# Altium PCB Copy of GameBoard_V1I1_083018.PcbDoc (part 10 of 21) (continued)
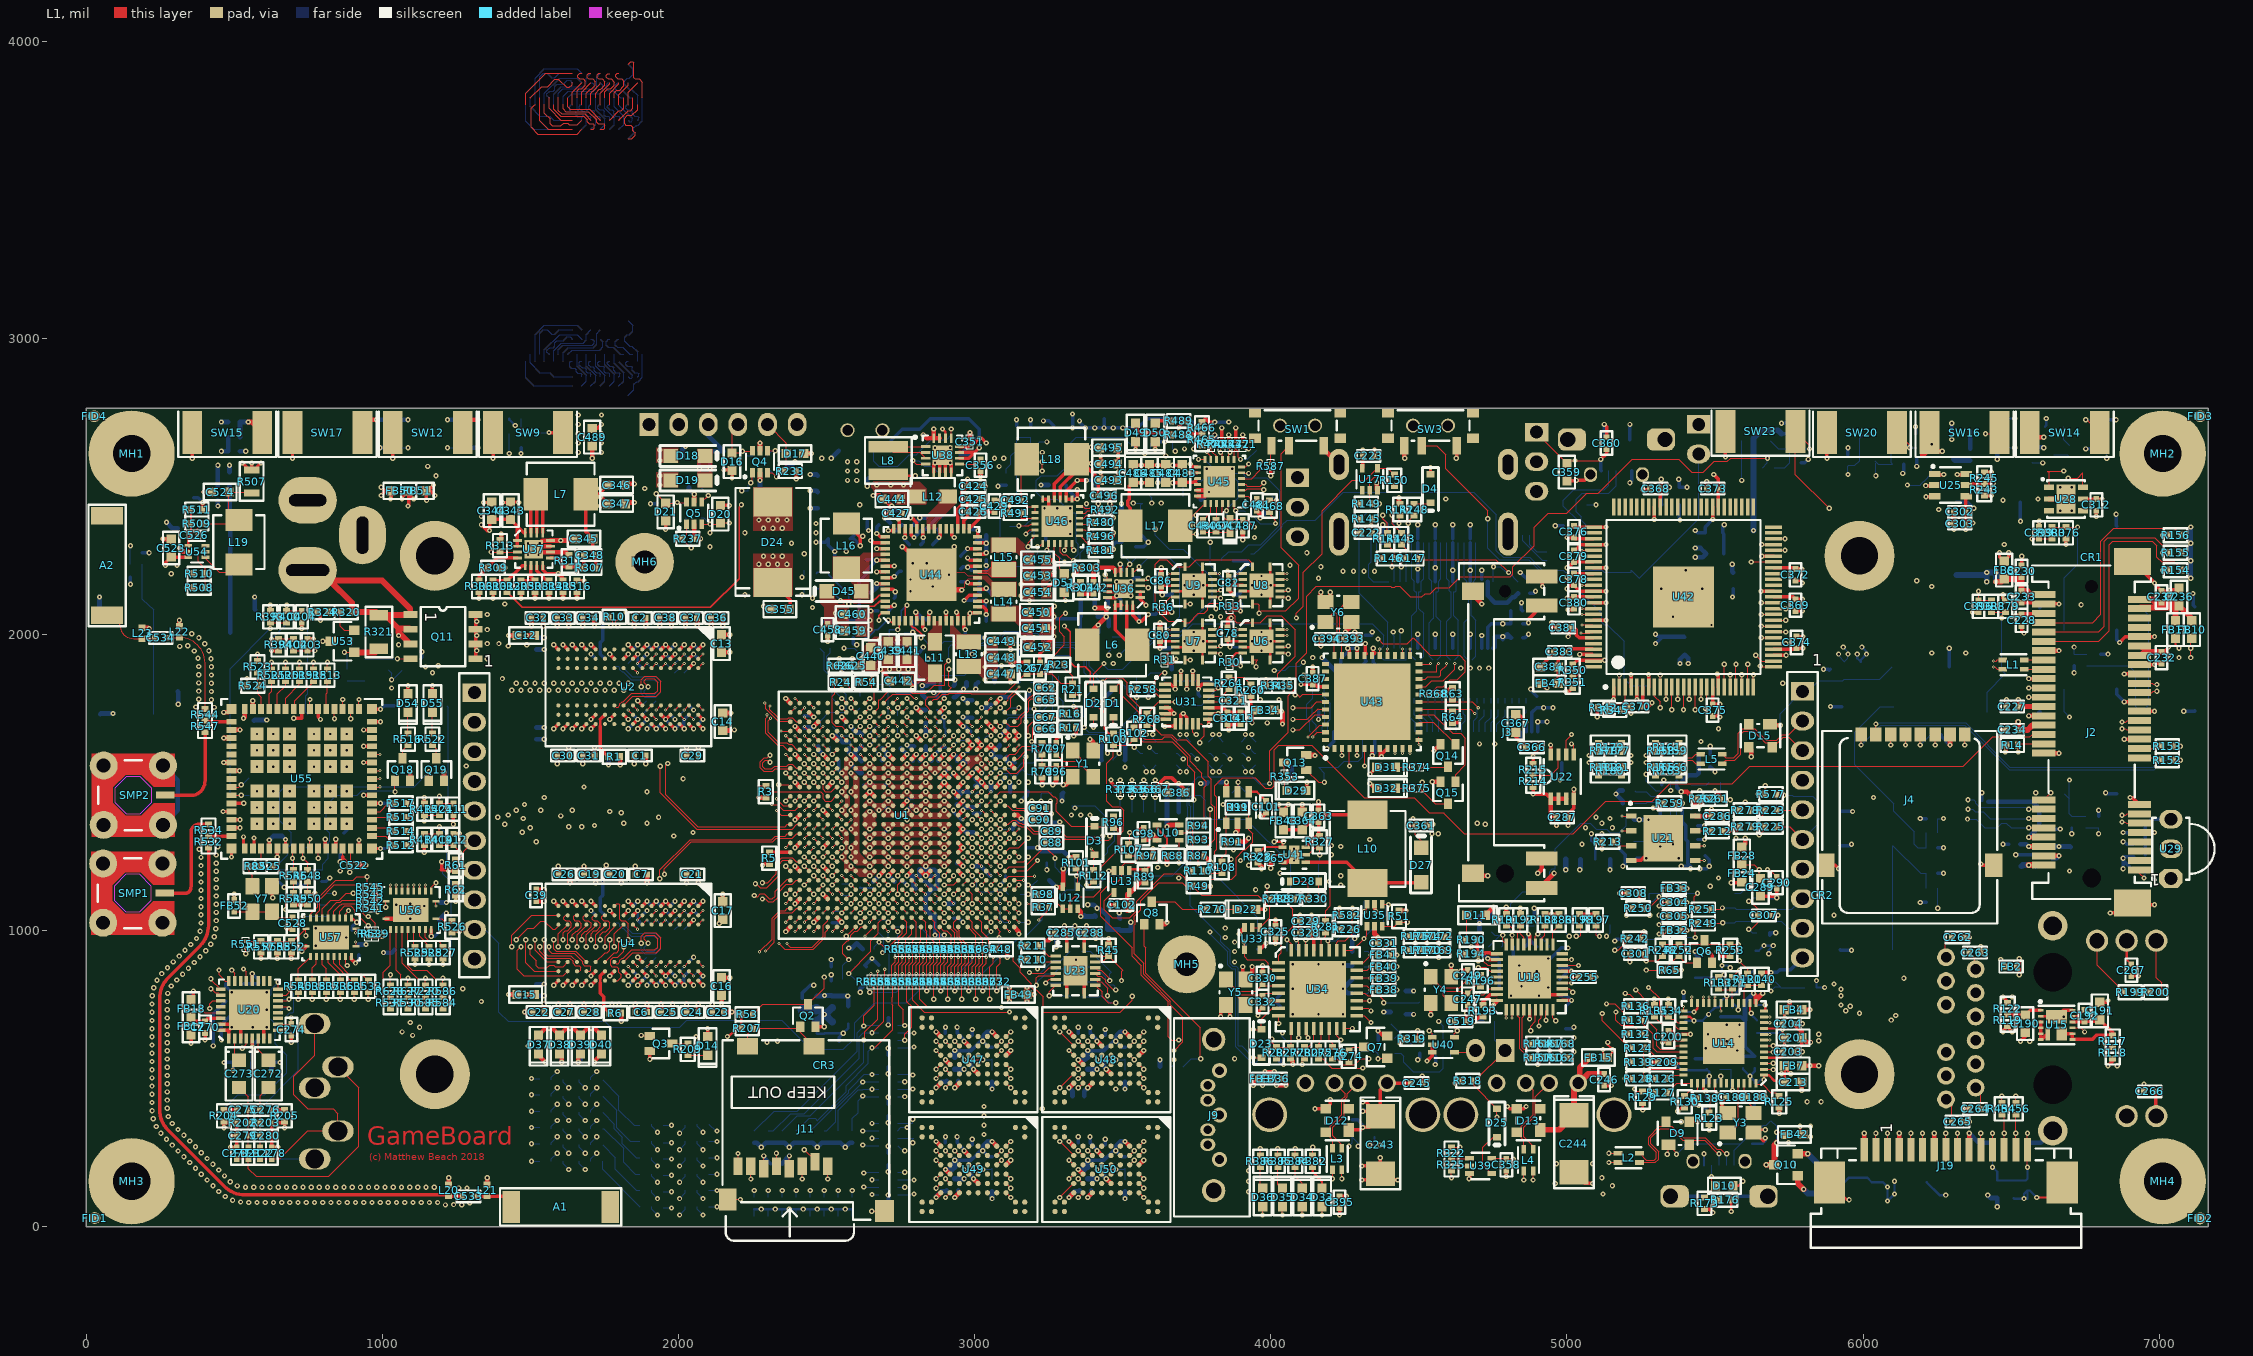
[diagram p0: L1 view]
## Nets (pads, with @x,y where several pads share a name; then routed paths per layer and width w, separated by ;. In a path a pad name is that pad's centre, name@x,y a point inside that pad or via, vN(x,y) a via of type N, cw(c..) or ccw(c..) an arc to the next point about the centre after c; other vN are vias at no path point) (continued)
  L10 w3.94: v1(3877.95,929.13) 3894.69,945.87 3894.69,966.75 3909.45,981.51 3909.45,1074.8 3925.2,1090.55 v1(3925.2,1220.47)
  L2 w3.94: v4(2728.35,1078.74) v3(2740.16,1090.55) ; v4(5443.9,1236.22) v3(5463.58,1236.22)
  L12 w3.94: v1(3208.66,814.96) 3208.66,822.83 3240.16,854.33 3267.72,854.33 TP14.1@3283.46,870.08 3314.96,870.08 R217.2@3322.83,877.95
CTP_INT#: R371.1 U43.11 | length 1104
  L1 w3.94: v3(4470.47,1598.43) U43.11@4470.47,1622.05
  L3 w3.94: v1(3531.5,1507.87) 3562.99,1476.38 3621.37,1476.38 3625.31,1472.44 3630.08,1472.44 3636.97,1465.55 3662.24,1465.55 3669.13,1472.44 3669.45,1472.44 3676.34,1465.55 3701.61,1465.55 3708.5,1472.44 3744.25,1472.44 3751.14,1465.55 3776.42,1465.55 3780.35,1469.49 3863.03,1469.49 3933.38,1469.49 3936.33,1472.44 3945.56,1472.44 3949.49,1476.38 4026.88,1476.38 4038.69,1464.57 4381.89,1464.57 4470.47,1553.15 v4(4470.47,1578.74)
  L2 w3.94: v4(4470.47,1578.74) v3(4470.47,1598.43)
  L12 w3.94: R371.1@3531.5,1486.81 v1(3531.5,1507.87)
CTP_RST#: R372.1 U43.12 | length 1206.5
  L1 w3.94: v3(4500,1627.95) U43.12@4500,1643.7 4500,1651.57
  L3 w3.94: v1(3492.13,1507.87) 3531.5,1468.5 3618.11,1468.5 3622.05,1464.57 3626.82,1464.57 3633.71,1457.68 3665.51,1457.68 3669.29,1461.46 3673.08,1457.68 3704.88,1457.68 3711.77,1464.57 3740.99,1464.57 3747.88,1457.68 3779.68,1457.68 3783.62,1461.61 3936.64,1461.61 3939.59,1464.57 4027.56,1464.57 4035.43,1456.69 4409.45,1456.69 4500,1547.24 v4(4500,1608.27)
  L2 w3.94: v4(4500,1608.27) v3(4500,1627.95)
  L12 w3.94: R372.1@3492.13,1486.81 v1(3492.13,1507.87)
CTP_SCL: R369.1 U43.9 | length 979.1
  L1 w3.94: v3(4419.29,1598.43) U43.9@4419.29,1614.17 U43.9@4419.29,1622.05
  L3 w3.94: v1(3610.24,1507.87) 3612.15,1507.87 3631.83,1488.19 3636.6,1488.19 3643.49,1481.3 3655.72,1481.3 3662.61,1488.19 3675.97,1488.19 3682.86,1481.3 3695.09,1481.3 3701.98,1488.19 3750.77,1488.19 3757.66,1481.3 3769.89,1481.3 3773.83,1485.24 3926.86,1485.24 3960.32,1518.7 4012.12,1518.7 4050.51,1480.31 4339.78,1480.31 4349.41,1489.95 4349.41,1502.95 4419.29,1572.83 v4(4419.29,1578.74)
  L2 w3.94: v4(4419.29,1578.74) v3(4419.29,1598.43)
  L12 w3.94: R369.1@3610.24,1486.81 v1(3610.24,1507.87)
CTP_SDA: R370.1 U43.10 | length 1044.1
  L1 w3.94: v3(4444.88,1598.43) U43.10@4444.88,1622.05
  L3 w3.94: v1(3570.87,1507.87) 3594.49,1484.25 3624.63,1484.25 3628.57,1480.31 3633.34,1480.31 3640.23,1473.43 3658.98,1473.43 3665.87,1480.31 3672.71,1480.31 3679.6,1473.43 3698.35,1473.43 3705.24,1480.31 3747.51,1480.31 3754.4,1473.43 3773.16,1473.43 3777.09,1477.36 3930.12,1477.36 3933.07,1480.31 3934.8,1480.31 3965.31,1510.83 4008.86,1510.83 4047.24,1472.44 4346.46,1472.44 4444.88,1570.87 v4(4444.88,1578.74)
  L2 w3.94: v4(4444.88,1578.74) v3(4444.88,1598.43)
  L12 w3.94: R370.1@3570.87,1486.81 v1(3570.87,1507.87)
DRAM0_ZQ: R1.2 U2.L8 | length 159.7
  L1 w7.87: 1736.22,1688.94 1736.22,1712.6
  L1 w11.81: 1736.22,1688.94 1736.22,1614.17 R1.2@1763.78,1586.61 ; 1736.22,1712.6 U2.L8@1751.97,1728.35
DRAM1_ZQ: R2.2 U3.L8 | length 159.7
  L12 w7.87: 1736.22,1940.9 1736.22,1956.73
  L12 w11.81: 1736.22,1940.9 1736.22,1933.07 U3.L8@1751.97,1917.32 ; 1736.22,1956.73 1736.22,1972.44 1744.09,1980.31 1744.09,2039.37 R2.2@1763.78,2059.06
DRAM2_ZQ: R6.2 U4.L8 | length 161.3
  L1 w7.87: 1736.22,822.79 1736.22,838.62
  L1 w11.81: 1736.22,822.79 1736.22,787.4 1748.03,775.59 1748.03,740.16 R6.2@1767.72,720.47 ; 1736.22,838.62 1736.22,846.46 U4.L8@1751.97,862.2
DRAM3_ZQ: R7.2 U5.L8 | length 161.3
  L12 w7.87: 1736.22,1074.76 1736.22,1090.59
  L12 w11.81: 1736.22,1074.76 1736.22,1066.93 U5.L8@1751.97,1051.18 ; 1736.22,1090.59 1736.22,1110.24 1744.09,1118.11 1744.09,1169.29 R7.2@1767.72,1192.91
DRAM_A0: U1.AC14 U2.N3 U3.N3 U4.N3 U5.N3 | length 2076
  L1 w3.66: v2@1657.55,944.88 1657.55,984.93 1689.04,1016.42 U4.N3@1689.04,1019.68 ; v3(2425.2,1342.52) U1.AC14@2440.94,1358.27
  L3 w3.94: v2(1673.23,1350.39) 1637.8,1314.96 1578.74,1314.96 1570.87,1307.09 1570.87,1295.28 1578.74,1287.4 1646.34,1287.4 1688.98,1330.03 1688.98,1365.77 1767.1,1443.9 1829.28,1443.9 1840.11,1433.07 1863.23,1433.07 1874.54,1421.76 1912.86,1421.76 1917.28,1426.18 2141.31,1426.18 2157.44,1410.05 2165.79,1410.05 2176.69,1420.95 2185.04,1420.95 2193.39,1412.6 2193.39,1404.25 2182.49,1393.35 2182.49,1384.99 2190.85,1376.64 2199.2,1376.64 2210.1,1387.54 2218.45,1387.54 2226.8,1379.19 2226.8,1370.84 2215.9,1359.94 2215.9,1351.59 2236.78,1330.71 2244.99,1330.71 2250.89,1336.61 2250.89,1352.36 2256.8,1358.27 2268.61,1358.27 2274.51,1352.36 2274.51,1336.61 2280.42,1330.71 2292.23,1330.71 2298.13,1336.61 2298.13,1352.36 2304.04,1358.27 2315.85,1358.27 2321.76,1352.36 2321.76,1336.61 2327.66,1330.71 2342.52,1330.71 2350.39,1338.58 2350.39,1350.39 2358.27,1358.27 2366.14,1358.27 2380.91,1343.5 2414.35,1343.5 2422.36,1351.52 2434.19,1351.52 v4(2437.01,1354.33)
  L10 w3.66: v2(1657.48,944.88) 1657.48,988.26 1563.06,1082.68 1539.37,1082.68 1529.57,1092.48 1529.57,1114.17 1537.44,1122.05 1562.59,1122.05 1578.74,1138.2 1578.74,1161.42 1732.28,1314.96 1732.28,1330.71 1724.41,1338.58 1685.04,1338.58 v2(1673.23,1350.39)
  L2 w3.94: v3(2425.2,1342.52) v4(2437.01,1354.33)
  other v2: 1657.48,1811.02
DRAM_A1: U1.AB14 U2.P7 U3.P7 U4.P7 U5.P7 | length 1865
  L1 w3.66: v2(1547.24,968.5) 1547.31,925.2 1558.14,914.37 1636.88,914.37 U4.P7@1657.55,893.7 ; v3(2456.69,1342.52) U1.AB14@2472.44,1358.27
  L3 w3.94: v2(1500,1346.46) 1527.56,1346.46 1548.23,1367.13 1590.03,1367.13 1592.99,1364.17 1611.74,1364.17 1614.69,1367.13 1657.63,1367.13 1699.95,1409.45 1708.15,1409.45 1759.33,1460.63 1857.94,1460.63 1881.06,1437.51 1906.34,1437.51 1921.86,1453.03 1975.7,1453.03 1986.8,1441.93 2044.69,1441.93 2059.46,1456.69 2176.09,1456.69 2245.97,1386.81 2263.72,1386.81 2275.93,1374.61 2373.73,1374.61 2378.94,1369.4 2378.94,1367.9 2387.59,1359.25 2399.82,1359.25 2407.83,1367.26 2422.94,1367.26 2429.1,1373.43 2448.23,1373.43 2448.82,1374.02 v4(2468.5,1354.33)
  L10 w3.66: v2(1500,1346.46) 1500,1330.71 1492.13,1322.83 1484.25,1322.83 1476.38,1314.96 1476.38,1303.15 1484.25,1295.28 1496.06,1295.28 1503.94,1287.4 1503.94,1275.59 1496.06,1267.72 1476.38,1267.72 1468.5,1259.84 1468.5,1248.03 1476.38,1240.16 1523.62,1240.16 1531.5,1232.28 1531.5,1224.41 1523.62,1216.54 1496.06,1216.54 1476.38,1196.85 1476.38,1039.37 v2(1547.24,968.5)
  L2 w3.94: v3(2456.69,1342.52) v4(2468.5,1354.33)
  other v2: 1547.24,1834.65
DRAM_A2: U1.AA14 U2.P3 U3.P3 U4.P3 U5.P3 | length 1880.5
  L1 w3.66: v2@1626.05,944.88 1626.05,988.19 U4.P3@1657.55,1019.68 ; v3(2488.19,1342.52) U1.AA14@2503.94,1358.27
  L3 w3.94: v2(1629.92,1350.39) 1622.05,1358.27 1621.37,1358.27 1617.43,1354.33 1591.69,1354.33 1587.75,1358.27 1571.02,1358.27 1562.99,1350.24 1562.99,1338.58 1570.87,1330.71 1630.37,1330.71 1645.67,1346.01 1645.67,1355.16 1649.76,1359.25 1660.89,1359.25 1703.22,1401.57 1711.41,1401.57 1761.6,1451.77 1840.24,1451.77 1851.07,1440.94 1866.49,1440.94 1877.8,1429.64 1909.6,1429.64 1924.85,1444.88 1972.71,1444.88 1983.54,1434.06 2047.96,1434.06 2062.72,1448.82 2172.83,1448.82 2254.91,1366.73 2323.69,1366.73 2324.28,1366.14 2369.56,1366.14 2384.32,1351.38 2407.69,1351.38 2415.7,1359.39 2426.2,1359.39 2432.36,1365.55 2441.66,1365.55 2457.28,1349.92 2457.28,1349.68 2464.45,1342.52 2476.38,1342.52 2488.19,1354.33 v4(2500,1354.33)
  L10 w3.66: 1578.74,1448.75 1578.74,1456.69 ; v2(1625.98,944.88) 1626.81,945.71 1626.81,973.75 1514.37,1086.19 1514.37,1140.35 1578.74,1204.72 1578.74,1221.47 1593.49,1236.22 1614.17,1236.22 1641.73,1263.78 1641.73,1272.15 1630.75,1283.14 1630.75,1296.1 1637.8,1303.15 1657.48,1303.15 1666.18,1311.85 1666.18,1318.07 1657.48,1326.77 1637.8,1326.77 1630.75,1333.82 1630.75,1349.57 v2(1629.92,1350.39)
  L2 w3.94: v3(2488.19,1342.52) v4(2500,1354.33)
  other v2: 1625.98,1811.02
DRAM_A3: U1.Y14 U2.N2 U3.N2 U4.N2 U5.N2 | length 2060.9
  L1 w3.66: v2(1673.23,968.5) 1673.29,984.93 1685.91,997.54 1690.52,997.54 1704.79,1011.81 1704.79,1023.62 1695.93,1032.48 1683.14,1032.48 1678.21,1037.4 1678.21,1046.26 1683.14,1051.18 U4.N2@1689.04,1051.18 ; v3(2519.69,1342.52) U1.Y14@2535.43,1358.27
  L3 w3.94: v2(1716.53,1354.33) 1716.53,1291.34 1704.72,1279.53 1696.85,1279.53 1688.98,1287.4 1677.17,1287.4 1669.29,1279.53 1669.29,1263.78 1681.1,1251.97 1773,1251.97 1807.09,1286.05 1807.09,1331.38 1791.34,1347.13 1791.34,1381.37 1783.46,1389.25 1783.46,1406.03 1797.71,1420.28 1816.46,1420.28 1827.29,1409.45 1853.45,1409.45 1864.76,1398.14 1924.5,1398.14 1927.94,1401.57 2132.51,1401.57 2227,1307.09 2366.97,1307.09 2377.95,1318.07 2420.53,1318.07 2428.16,1310.43 2452.72,1310.43 2460.6,1318.31 2495.47,1318.31 v4(2507.87,1330.71)
  L10 w3.66: v2(1673.23,968.5) 1673.23,983.25 1562.99,1093.49 1562.99,1106.3 1570.87,1114.17 1578.74,1114.17 1586.61,1122.05 1586.61,1125.98 1586.61,1153.54 1744.09,1311.02 1744.09,1410.51 1733.35,1421.26 1720.47,1421.26 1712.6,1413.39 1712.6,1401.57 1728.35,1385.83 1728.35,1366.14 v2(1716.53,1354.33)
  L2 w3.94: v4(2507.87,1330.71) v3(2519.69,1342.52)
  other v2: 1673.23,1834.65
DRAM_A4: U1.W14 U2.P8 U3.P8 U4.P8 U5.P8 | length 2081.5
  L1 w3.66: v2@1531.56,944.88 1531.56,929.81 1554.88,906.5 1633.62,906.5 1644.75,895.36 1644.75,888.4 1652.25,880.91 1664.43,880.91 1669.36,875.98 1669.36,866.14 1665.42,862.2 U4.P8@1657.55,862.2 ; U1.W14@2566.93,1358.27 v3(2582.68,1374.02)
  L3 w3.94: v2(1472.44,1331.71) 1482.3,1321.85 1529.06,1321.85 1587.13,1263.78 1633.86,1263.78 1696.85,1326.77 1696.85,1362.41 1726.8,1392.37 1726.8,1392.47 1770.36,1436.02 1826.02,1436.02 1836.85,1425.2 1859.97,1425.2 1871.28,1413.89 1916.12,1413.89 1920.54,1418.31 2138.05,1418.31 2233.52,1322.83 2360.45,1322.83 2371.67,1334.06 2487.6,1334.06 2495.47,1341.93 2529.71,1341.93 2549.99,1362.21 v4(2570.87,1362.21)
  L10 w3.66: v2(1472.44,1331.71) 1460.63,1319.9 1460.63,1232.28 1440.95,1212.6 1440.95,1204.72 1448.82,1196.85 1460.63,1196.85 1468.5,1188.98 1468.5,1181.1 1460.63,1173.23 1448.82,1173.23 1440.95,1165.35 1440.95,1157.48 1448.82,1149.61 1460.63,1149.61 1468.5,1141.73 1468.5,1133.86 1460.63,1125.98 1448.82,1125.98 1440.95,1118.11 1440.95,1110.24 1448.82,1102.36 1460.63,1102.36 1468.5,1094.49 1468.5,1086.61 1460.63,1078.74 1448.82,1078.74 1440.95,1070.87 1440.95,1062.99 1448.82,1055.12 1460.63,1055.12 1468.5,1047.24 1468.5,1036.5 1531.5,973.51 v2(1531.5,944.88)
  L2 w3.94: v4(2570.87,1362.21) v3(2582.68,1374.02)
  other v2: 1531.5,1811.02
DRAM_A5: U1.AE13 U2.P2 U3.P2 U4.P2 U5.P2 | length 1916.3
  L1 w3.66: v2(1641.73,968.5) 1641.8,984.93 1654.41,997.54 1659.02,997.54 1672.31,1010.83 1672.31,1023.02 1662.85,1032.48 1650.66,1032.48 1645.73,1037.4 1645.73,1047.24 1649.67,1051.18 U4.P2@1657.55,1051.18 ; v3(2330.71,1405.51) 2346.46,1389.76 U1.AE13@2377.95,1389.76
  L3 w3.94: v2(1641.73,1405.51) 1651.48,1405.51 1661.42,1415.45 1661.42,1425.2 1655.51,1431.1 1631.89,1431.1 1618.11,1417.32 1610.24,1417.32 1602.36,1425.2 1602.36,1437.68 1610.55,1445.87 1700.02,1445.87 1746.56,1492.4 1992.01,1492.4 2003.11,1481.3 2028.39,1481.3 2043.15,1496.06 2192.39,1496.06 2262.28,1426.18 2280.03,1426.18 2288.89,1417.32 2322.16,1417.32 2347.44,1442.6 2347.44,1443.12 2356.09,1451.77 2399.82,1451.77 2408.46,1443.12 2408.46,1430.89 2399.82,1422.24 2347.44,1422.24 v4(2342.52,1417.32)
  L10 w3.66: v2(1641.73,968.5) 1641.73,993.26 1560.19,1074.8 1536.5,1074.8 1521.97,1089.33 1521.97,1133.86 1567.24,1179.13 1580.71,1179.13 1708.66,1307.09 1708.66,1318.9 1700.79,1326.77 1673.23,1326.77 1653.54,1346.46 1653.54,1362.2 1641.73,1374.02 v2(1641.73,1405.51)
  L2 w3.94: v3(2330.71,1405.51) v4(2342.52,1417.32)
  other v2: 1641.73,1834.65
DRAM_A6: U1.AC13 U2.R8 U3.R8 U4.R8 U5.R8 | length 1959.6
  L1 w3.66: v2@1468.57,944.88 1467.59,944.88 1455.77,933.07 1455.77,869.09 1478.41,846.46 1610.3,846.46 U4.R8@1626.05,862.2 ; v3(2425.2,1374.02) U1.AC13@2440.94,1389.76
  L3 w3.94: v2(1425.2,1389.76) 1428.15,1386.81 1428.15,1355.31 1440.94,1342.52 1462.37,1342.52 1481.07,1361.22 1506.12,1361.22 1512.02,1355.31 1525.28,1355.31 1544.97,1375 1593.29,1375 1596.25,1372.05 1608.48,1372.05 1611.43,1375 1654.37,1375 1701.61,1422.24 1709.81,1422.24 1756.06,1468.5 1861.2,1468.5 1884.32,1445.38 1903.08,1445.38 1918.6,1460.91 1978.96,1460.91 1990.06,1449.8 2041.43,1449.8 2056.2,1464.57 2179.35,1464.57 2249.23,1394.69 2266.98,1394.69 2279.19,1382.48 2374.61,1382.48 2380.91,1388.78 2434.06,1388.78 v4(2437.01,1385.83)
  L10 w3.66: v2(1425.2,1389.76) 1425.2,1367.14 1429.69,1362.65 1429.69,1259.33 1410.28,1239.92 1410.28,1031.73 1468.5,973.51 v2(1468.5,944.88)
  L2 w3.94: v3(2425.2,1374.02) v4(2437.01,1385.83)
  other v2: 1468.5,1811.02
DRAM_A7: U1.Y13 U2.R2 U3.R2 U4.R2 U5.R2 | length 2068.6
  L1 w3.66: v2(1610.24,968.5) 1610.3,992.8 1617.16,999.66 1626.39,999.66 1638.84,1012.12 1638.84,1024.99 1631.35,1032.48 1619.16,1032.48 1613.25,1038.39 1613.25,1045.27 1619.16,1051.18 U4.R2@1626.05,1051.18 ; U1.Y13@2535.43,1389.76 v3(2551.18,1374.02)
  L3 w3.94: v2(1602.36,1386.81) 1606.3,1382.87 1651.11,1382.87 1698.35,1430.12 1706.54,1430.12 1752.8,1476.38 1864.46,1476.38 1887.59,1453.26 1899.82,1453.26 1915.34,1468.78 1982.22,1468.78 1993.33,1457.68 2038.17,1457.68 2052.93,1472.44 2182.61,1472.44 2252.49,1402.56 2270.24,1402.56 2282.45,1390.35 2370.67,1390.35 2371.35,1390.35 2378.63,1397.64 2441.07,1397.64 2457.4,1381.3 2468.54,1381.3 2483.7,1366.14 2507.87,1366.14 2513.78,1372.05 2549.21,1372.05 2565.95,1388.78 2565.95,1409.66 2577.55,1421.26 2622.05,1421.26 2629.92,1429.13 2629.92,1445.02 2622.19,1452.76 2577.55,1452.76 2536.42,1411.63 2536.42,1388.78 v4(2539.37,1385.83)
  L10 w3.66: v2(1602.36,1386.81) 1618.11,1371.06 1618.11,1362.2 1606.3,1350.39 1598.43,1350.39 1590.55,1342.52 1590.55,1334.65 1598.43,1326.77 1614.17,1326.77 1622.05,1318.9 1622.05,1311.02 1614.17,1303.15 1598.43,1303.15 1590.55,1295.28 1590.55,1258.04 1570.87,1238.35 1570.87,1208.66 1506.77,1144.57 1506.77,1071.97 v2(1610.24,968.5)
  L2 w3.94: v4(2539.37,1385.83) v3(2551.18,1374.02)
  other v2: 1610.24,1834.65
DRAM_A8: U1.AB13 U2.T8 U3.T8 U4.T8 U5.T8 | length 2078.3
  L1 w3.66: v2(1484.25,968.5) 1484.32,891.35 1513.47,862.2 U4.T8@1594.55,862.2 ; U1.AB13@2472.44,1389.76 v3(2488.19,1374.02)
  L3 w3.94: v2(1452.76,1405.51) 1514.55,1405.51 1529.32,1390.75 1541.55,1390.75 1604.54,1453.74 1696.76,1453.74 1743.29,1500.28 1995.27,1500.28 2006.37,1489.17 2025.12,1489.17 2039.89,1503.94 2195.66,1503.94 2265.54,1434.06 2283.29,1434.06 2291.56,1425.79 2318.97,1425.79 2353.81,1460.63 2360.24,1460.63 2366.14,1460.63 2389.76,1484.25 2401.57,1484.25 2417.32,1468.5 2440.94,1468.5 2444.88,1472.44 2492.13,1472.44 2500,1464.57 2500,1444.88 2492.13,1437.01 2480.31,1437.01 2465.55,1451.77 2448.35,1451.77 2440.94,1444.36 2440.94,1431.88 2457.28,1415.54 2457.28,1412.68 2463.86,1406.1 2466.72,1406.1 2482.07,1390.75 2495.08,1390.75 v4(2500,1385.83)
  L10 w3.66: v2(1452.76,1405.51) 1452.76,1384.76 1437.28,1369.29 1437.28,1256.18 1417.87,1236.77 1417.87,1034.88 v2(1484.25,968.5)
  L2 w3.94: v3(2488.19,1374.02) v4(2500,1385.83)
  other v2: 1484.25,1834.65
DRAM_A9: U1.AE12 U2.R3 U3.R3 U4.R3 U5.R3 | length 1966
  L1 w3.66: v2@1594.55,944.88 1594.55,988.19 U4.R3@1626.05,1019.68 ; v3(2330.71,1444.88) 2354.33,1421.26 U1.AE12@2377.95,1421.26
  L3 w3.94: v2(1547.24,1448.82) 1544.14,1445.72 1534.6,1445.72 1528.59,1451.72 1528.59,1461.66 1535.43,1468.5 1570.87,1468.5 1578.74,1476.38 1578.74,1489.25 1571.93,1496.06 1539.87,1496.06 1531.5,1504.44 1531.5,1516.75 1538.37,1523.62 1582.68,1523.62 1590.55,1515.75 1590.55,1488.19 1609.25,1469.49 1690.24,1469.49 1736.77,1516.02 1980.85,1516.02 1992.38,1527.56 2337.39,1527.56 2356.09,1546.26 2368.32,1546.26 2377.95,1536.63 2377.95,1486.22 2360.24,1468.5 2346.46,1468.5 2334.65,1456.69 v4(2318.9,1456.69)
  L10 w3.66: v2(1547.24,1448.82) 1551.18,1448.82 1578.74,1421.26 1578.74,1256.97 1561.93,1240.16 1561.93,1211.53 1499.17,1148.78 1499.17,1068.82 1594.49,973.51 v2(1594.49,944.88)
  L2 w3.94: v4(2318.9,1456.69) v3(2330.71,1444.88)
  other v2: 1594.49,1811.02
DRAM_A10: U1.AA15 U2.L7 U3.L7 U4.L7 U5.L7 | length 2077.3
  L1 w3.66: U4.L7@1752.03,893.7 1783.53,925.2 1791.4,925.2 1799.28,933.07 v2@1799.28,968.5 ; U1.AA15@2503.94,1326.77 v3(2519.69,1311.02)
  L3 w3.94: v2(1984.25,1318.9) 1984.25,1251.29 1965.24,1232.28 1878.94,1232.28 1871.41,1224.76 1871.41,1203.39 1877.95,1196.85 1909.45,1196.85 1925.2,1212.6 1972.44,1212.6 1991.35,1193.69 2311.47,1193.69 2317.37,1199.6 2317.37,1224.41 2323.28,1230.31 2335.09,1230.31 2341,1224.41 2341,1199.6 2346.9,1193.69 2362.98,1193.69 2377.95,1208.66 2377.95,1221.67 2388.57,1232.28 2398.83,1232.28 2409.45,1221.67 2409.45,1208.66 2417.32,1200.79 2433.07,1200.79 2441.93,1209.65 2441.93,1254.15 2452.55,1264.76 2497.05,1264.76 v4(2531.5,1299.21)
  L10 w3.15: v2(1799.21,968.5) 1799.21,978.21 1741.47,1035.95 1741.47,1108.9 1782.17,1149.61 1782.17,1174.72 1859.42,1251.97 1870.08,1251.97 1880.06,1241.99 1887.93,1241.99 1893.7,1247.75 1893.7,1255.91 1881.89,1267.72 1881.89,1274.44 1886.98,1279.53 1895.09,1279.53 1913.39,1261.23 1946.27,1261.23 1952.76,1267.72 1952.76,1275.59 1944.88,1283.46 1913.39,1283.46 1905.51,1291.34 1905.51,1299.21 1913.39,1307.09 1948.82,1307.09 1972.44,1283.46 1980.99,1283.46 2007.87,1310.35 2007.87,1385.83 2001.97,1391.73 1990.16,1391.73 1984.25,1385.83 v2(1984.25,1318.9)
  L2 w3.94: v3(2519.69,1311.02) v4(2531.5,1299.21)
  other v2: 1799.21,1834.65
DRAM_A11: U1.AC12 U2.R7 U3.R7 U4.R7 U5.R7 | length 1884.5
  L1 w3.66: v2@1500.07,944.88 1500.07,917.32 1519.75,897.64 1519.75,880.9 1526.64,874.02 1556.17,874.02 1565.03,882.87 1579.79,882.87 1584.71,877.95 1610.3,877.95 U4.R7@1626.05,893.7 ; v3(2425.2,1405.51) U1.AC12@2440.94,1421.26
  L3 w3.94: v2(1476.38,1377.95) 1456.69,1358.27 1444.88,1358.27 1437.01,1366.14 1437.01,1377.95 1449.8,1390.75 1458.87,1390.75 1461.82,1393.7 1515.23,1393.7 1527.04,1381.89 1540.72,1381.89 1541.71,1382.87 1547.82,1382.87 1574.39,1409.45 1605.11,1409.45 1623.81,1390.75 1647.85,1390.75 1695.09,1437.99 1703.28,1437.99 1749.82,1484.53 1988.75,1484.53 1999.85,1473.43 2031.65,1473.43 2046.41,1488.19 2189.13,1488.19 2259.02,1418.31 2276.77,1418.31 2288.97,1406.1 2363.31,1406.1 2371.58,1414.37 2410.43,1414.37 v4(2413.39,1417.32)
  L10 w3.66: v2(1476.38,1377.95) 1460.63,1377.95 1444.88,1362.2 1444.88,1248.03 1425.47,1228.62 1425.47,1048.03 1500,973.51 v2(1500,944.88)
  L2 w3.94: v4(2413.39,1417.32) v3(2425.2,1405.51)
  other v2: 1500,1811.02
DRAM_A12: U1.AD12 U2.N7 U3.N7 U4.N7 U5.N7 | length 2025.6
  L1 w3.66: v2(1578.74,968.5) 1578.81,937.99 1586.68,930.12 1652.62,930.12 U4.N7@1689.04,893.7 ; v3(2314.96,1425.2) 2334.65,1425.2 2354.33,1405.51 2393.7,1405.51 U1.AD12@2409.45,1421.26
  L3 w3.94: v2(1535.43,1405.51) 1496.06,1444.88 1448.82,1444.88 1437.01,1456.69 1437.01,1473.99 1486.64,1523.62 1492.13,1523.62 1519.68,1496.06 1519.68,1444.88 1539.37,1425.2 1564.86,1425.2 1601.28,1461.61 1693.5,1461.61 1740.03,1508.15 1998.53,1508.15 2009.63,1497.05 2021.86,1497.05 2036.63,1511.81 2204.72,1511.81 2251.97,1464.57 2280.63,1464.57 2303.15,1442.04 v4(2303.15,1437.01)
  L10 w3.66: v2(1535.43,1405.51) 1535.43,1394.69 1544.29,1385.83 1562.99,1385.83 1569.76,1379.06 1569.76,1368.98 1562.99,1362.2 1551.18,1362.2 1543.31,1354.33 1543.31,1346.46 1551.18,1338.58 1562.99,1338.58 1570.75,1330.83 1570.75,1259.72 1551.18,1240.16 1551.18,1216.54 1491.58,1156.93 1491.58,1055.67 v2(1578.74,968.5)
  L2 w3.94: v4(2303.15,1437.01) v3(2314.96,1425.2)
  other v2: 1578.74,1834.65
DRAM_A13: U1.AC17 U2.T3 U3.T3 U4.T3 U5.T3 | length 2078.7
  L1 w3.66: v2@1452.82,968.5 1491.21,1006.89 1510.89,1006.89 1535.5,1031.5 1547.31,1031.5 1574.87,1003.94 1584.71,1003.94 1594.55,1013.78 U4.T3@1594.55,1019.68 ; U1.AC17@2440.94,1263.78 v3(2456.69,1279.53)
  L3 w3.94: v2(1413.39,1358.27) 1457.68,1313.98 1525.8,1313.98 1535.43,1304.34 1535.43,1279.53 1570.87,1244.09 1776.27,1244.09 1814.96,1282.79 1814.96,1334.65 1799.21,1350.39 1799.21,1384.63 1792.32,1391.52 1792.32,1403.75 1800.97,1412.4 1813.2,1412.4 1824.03,1401.57 1850.18,1401.57 1861.49,1390.27 1901.07,1390.27 1924.21,1367.13 1957.68,1367.13 1976.38,1385.83 2125.98,1385.83 2220.47,1291.34 2373.5,1291.34 2384.32,1302.16 2414.16,1302.16 2422.03,1294.29 2441.93,1294.29 v4(2444.88,1291.34)
  L10 w3.66: v2(1413.39,1358.27) 1401.58,1358.27 1393.7,1350.39 1393.7,1334.65 1401.58,1326.77 1413.39,1326.77 1421.26,1318.9 1421.26,1311.02 1413.39,1303.15 1397.64,1303.15 1389.76,1295.28 1389.76,1287.4 1397.64,1279.53 1413.39,1279.53 1421.26,1271.65 1421.26,1262.68 1402.68,1244.09 1402.68,1026.46 1417.32,1011.81 1417.32,980.31 1429.13,968.5 v2(1452.76,968.5)
  L2 w3.94: v4(2444.88,1291.34) v3(2456.69,1279.53)
  other v2: 1452.76,1834.65
DRAM_A14: U1.AA12 U2.T7 U3.T7 U4.T7 U5.T7 | length 2062.6
  L1 w3.66: v2(1515.75,968.5) 1515.81,933.07 1555.18,893.7 U4.T7@1594.55,893.7 ; U1.AA12@2503.94,1421.26 v3(2519.69,1405.51)
  L3 w3.94: v2(1480.32,1425.2) 1440.94,1425.2 1422.26,1443.88 1422.26,1470.37 1483.66,1531.77 1974.32,1531.77 1985.86,1543.31 2330.87,1543.31 2349.57,1562.01 2397.95,1562.01 2413.69,1577.76 2434.05,1577.76 2440.94,1570.87 2440.94,1557.86 2451.56,1547.24 2496.06,1547.24 2504.92,1538.39 2504.92,1492.13 2517.72,1479.33 2517.72,1429.13 2507.87,1419.29 v4(2507.87,1417.32)
  L10 w3.66: v2(1480.32,1425.2) 1491,1414.51 1491,1370.95 1453.03,1332.98 1453.03,1244.37 1433.07,1224.41 1433.07,1051.18 v2(1515.75,968.5)
  L2 w3.94: v4(2507.87,1417.32) v3(2519.69,1405.51)
  other v2: 1515.75,1834.65
DRAM_A15: U1.Y12 U2.M7 U3.M7 U4.M7 U5.M7 | length 2024
  L1 w3.66: U4.M7@1720.54,893.7 1752.03,925.2 1759.91,925.2 1767.78,933.07 v2@1767.78,968.5 ; U1.Y12@2535.43,1421.26 v3(2551.18,1437.01)
  L3 w3.94: v2(1893.7,1468.02) 1902.33,1476.65 1985.48,1476.65 1996.59,1465.55 2034.91,1465.55 2049.67,1480.31 2185.87,1480.31 2255.75,1410.43 2273.51,1410.43 2285.71,1398.23 2366.58,1398.23 2368.08,1398.23 2375.37,1405.51 2444.33,1405.51 2451.61,1398.23 2462.75,1398.23 2486.96,1374.02 2504.06,1374.02 2525.59,1395.55 2525.59,1475.85 2536.42,1486.67 2536.42,1506.12 2547.03,1516.73 2658.47,1516.73 2665.35,1523.62 2665.35,1535.43 2676.18,1546.26 2720.47,1546.26 2728.35,1538.39 2728.35,1523.62 2719.49,1514.76 2699.8,1514.76 2670.28,1485.24 2578.53,1485.24 2567.91,1474.62 2567.91,1460.63 2558.07,1450.79 2541.34,1450.79 v4(2539.37,1448.82)
  L10 w3.66: 1726.93,1057.7 1726.93,1029.3 1767.72,988.51 v2(1767.72,968.5) ; 1726.93,1076.15 1726.93,1089.2 ; 1726.95,1057.72 1726.95,1076.13 ; 1726.95,1089.22 1726.95,1129.39 1747.17,1149.61 1747.17,1172.23 1747.3,1172.37 1747.3,1173.17 1916.2,1342.07 1916.2,1445.52 v2(1893.7,1468.02)
  L2 w3.94: v4(2539.37,1448.82) v3(2551.18,1437.01)
  other v2: 1767.72,1834.65
DRAM_CAS_B: U1.AE16 U2.K3 U3.K3 U4.K3 U5.K3 | length 2080
  L1 w3.66: v2@1752.03,944.88 1752.03,979.33 1783.53,1010.83 U4.K3@1783.53,1019.68 ; v3(2362.21,1279.53) U1.AE16@2377.95,1295.28
  L3 w3.94: v2(1893.7,1362.2) 1905.51,1350.39 1944.88,1350.39 1952.76,1342.52 1952.76,1334.65 1944.88,1326.77 1909.45,1326.77 1901.57,1318.9 1901.57,1311.02 1909.45,1303.15 1933.07,1303.15 1940.94,1295.28 1940.94,1248.03 1948.82,1240.16 1960.63,1240.16 1968.5,1248.03 1968.5,1326.77 1980.31,1338.58 2007.87,1338.58 2023.62,1322.83 2023.62,1311.02 2015.75,1303.15 2003.94,1303.15 1996.06,1295.28 1996.06,1287.4 2003.94,1279.53 2015.75,1279.53 2023.62,1271.65 2023.62,1255.91 2015.75,1248.03 2000,1248.03 1992.13,1240.16 1992.13,1220.47 2000,1212.6 2011.81,1212.6 2019.68,1220.47 2027.56,1220.47 2035.43,1212.6 2047.24,1212.6 2055.12,1220.47 2055.12,1236.22 2039.37,1251.97 2039.37,1318.9 2031.5,1326.77 2031.5,1338.58 2039.37,1346.46 2059.06,1346.46 2066.93,1338.58 2066.93,1280.2 2079.42,1267.72 2232.28,1267.72 2240.16,1275.59 2267.72,1275.59 2275.59,1267.72 2275.59,1242.7 2282.07,1236.22 2291.27,1236.22 2299.21,1244.16 2299.21,1267.72 2307.09,1275.59 2326.77,1275.59 2334.65,1267.72 2334.65,1255.91 2342.52,1248.03 2374.02,1248.03 2381.89,1255.91 2381.89,1267.72 2374.02,1275.59 2358.27,1275.59 v4(2350.39,1267.72)
  L10 w3.66: 1719.33,1060.85 1719.33,1026.15 1751.97,993.52 v2(1751.97,944.88) ; 1719.33,1073.01 1719.33,1092.35 ; 1719.35,1060.87 1719.35,1072.99 ; 1719.35,1092.37 1719.35,1136.67 1739.57,1156.89 1739.57,1175.58
  L10 w3.94: 1739.57,1175.58 1739.57,1176.38 1779.63,1216.44 1779.63,1228.25 1771.65,1236.22 1771.65,1248.03 1779.53,1255.91 1791.34,1255.91 1799.21,1248.03 1811.22,1248.03 1819,1255.81 1819,1267.62 1811.02,1275.59 1811.02,1287.4 1818.9,1295.28 1830.71,1295.28 1838.58,1287.4 1850.59,1287.4 1858.37,1295.18 1858.37,1306.99 1850.39,1314.96 1850.39,1326.77 1858.27,1334.65 1870.08,1334.65 1877.95,1326.77 1889.96,1326.77 1889.96,1326.97 1901.58,1338.58 1901.58,1354.33 v2(1893.7,1362.2)
  L2 w3.94: v4(2350.39,1267.72) v3(2362.21,1279.53)
  other v2: 1751.97,1811.02
DRAM_CLK0_N: R9.1 U1.AE15 U4.K7 U5.K7 | length 1741.8
  L1 w3.54: U4.K7@1783.46,893.7 1789.37,887.8 1796.46,887.8 1802.36,893.7 1802.36,899.23 1809.44,906.3 1813.64,906.3 1841.81,934.47 1920.55,934.47 1929.9,943.82 1929.9,971.67 1918.5,983.07 1890.69,983.07 1883.86,976.24 1883.86,970.79 1897.64,957.01 v2(1897.64,956.69)
  L1 w3.94: v2(1937.01,1174.21) 1937.35,1174.55 1937.35,1204.39 2040.05,1307.09 2315.64,1307.09 2327.45,1318.9 2360.24,1318.9 2368.11,1326.77 U1.AE15@2377.95,1326.77
  L10 w3.94: v2(1799.21,751.97) 1797.89,753.29 1797.89,778.88 1808.07,789.06 1808.07,888.78 1848.43,929.13 1870.08,929.13 v2(1897.64,956.69) 1894.89,956.69 1880.13,971.46 1868.11,971.46 1809.06,1030.51 1809.06,1104.33 1862.88,1158.16 1862.88,1158.83 1886.14,1182.09 1906.5,1182.09 1914.37,1174.21 v2(1937.01,1174.21)
  L12 w3.54: U5.K7@1783.46,1019.69 1789.37,1025.59 1796.46,1025.59 1802.36,1019.68 1802.36,1014.16 1809.44,1007.08 1813.64,1007.08 1839.84,980.89 1918.58,980.89 1929.9,969.56 1929.9,941.71 1918.5,930.31 1890.69,930.31 1884.02,936.99 ; v2(1799.21,751.97) 1799.21,751.65 1792.48,744.92 1792.48,735.08 R9.1@1807.09,720.47 ; 1883.86,937.15 1883.86,942.59 1897.64,956.37 v2(1897.64,956.69)
DRAM_CLK0_P: R9.2 U1.AD15 U4.J7 U5.J7 | length 1746.5
  L1 w3.54: U4.J7@1814.96,893.7 1845.89,924.63 1924.62,924.63 1939.74,939.74 1939.74,975.75 1922.58,992.91 1886.61,992.91 1874.02,980.32 v2(1874.01,956.69)
  L1 w3.94: v2(1952.76,1189.96) 1952.76,1208.66 2043.31,1299.21 2318.9,1299.21 2330.71,1311.02 2383.86,1311.02 2399.61,1326.77 U1.AD15@2409.45,1326.77
  L10 w3.94: v2(1775.59,751.97) 1775.59,767.72 1800.2,792.32 1800.2,892.04 1845.16,937.01 1854.33,937.01 v2(1874.01,956.69) 1871.74,956.69 1801.18,1027.25 1801.18,1107.59 1827.45,1133.86 1855.01,1161.42 1855.01,1162.09 1882.87,1189.96 v2(1952.76,1189.96)
  L12 w3.54: R9.2@1767.72,720.47 1781.66,734.41 1781.66,745.9 v2(1775.59,751.97) ; U5.J7@1814.96,1019.69 1843.92,990.73 1922.66,990.73 1939.74,973.64 1939.74,937.64 1922.58,920.47 1886.61,920.47 1874.02,933.07 v2(1874.01,956.69)